# Altium PCB TC364_MainBoard_PCB_V2.0.PcbDoc (part 1 of 2) (continued)
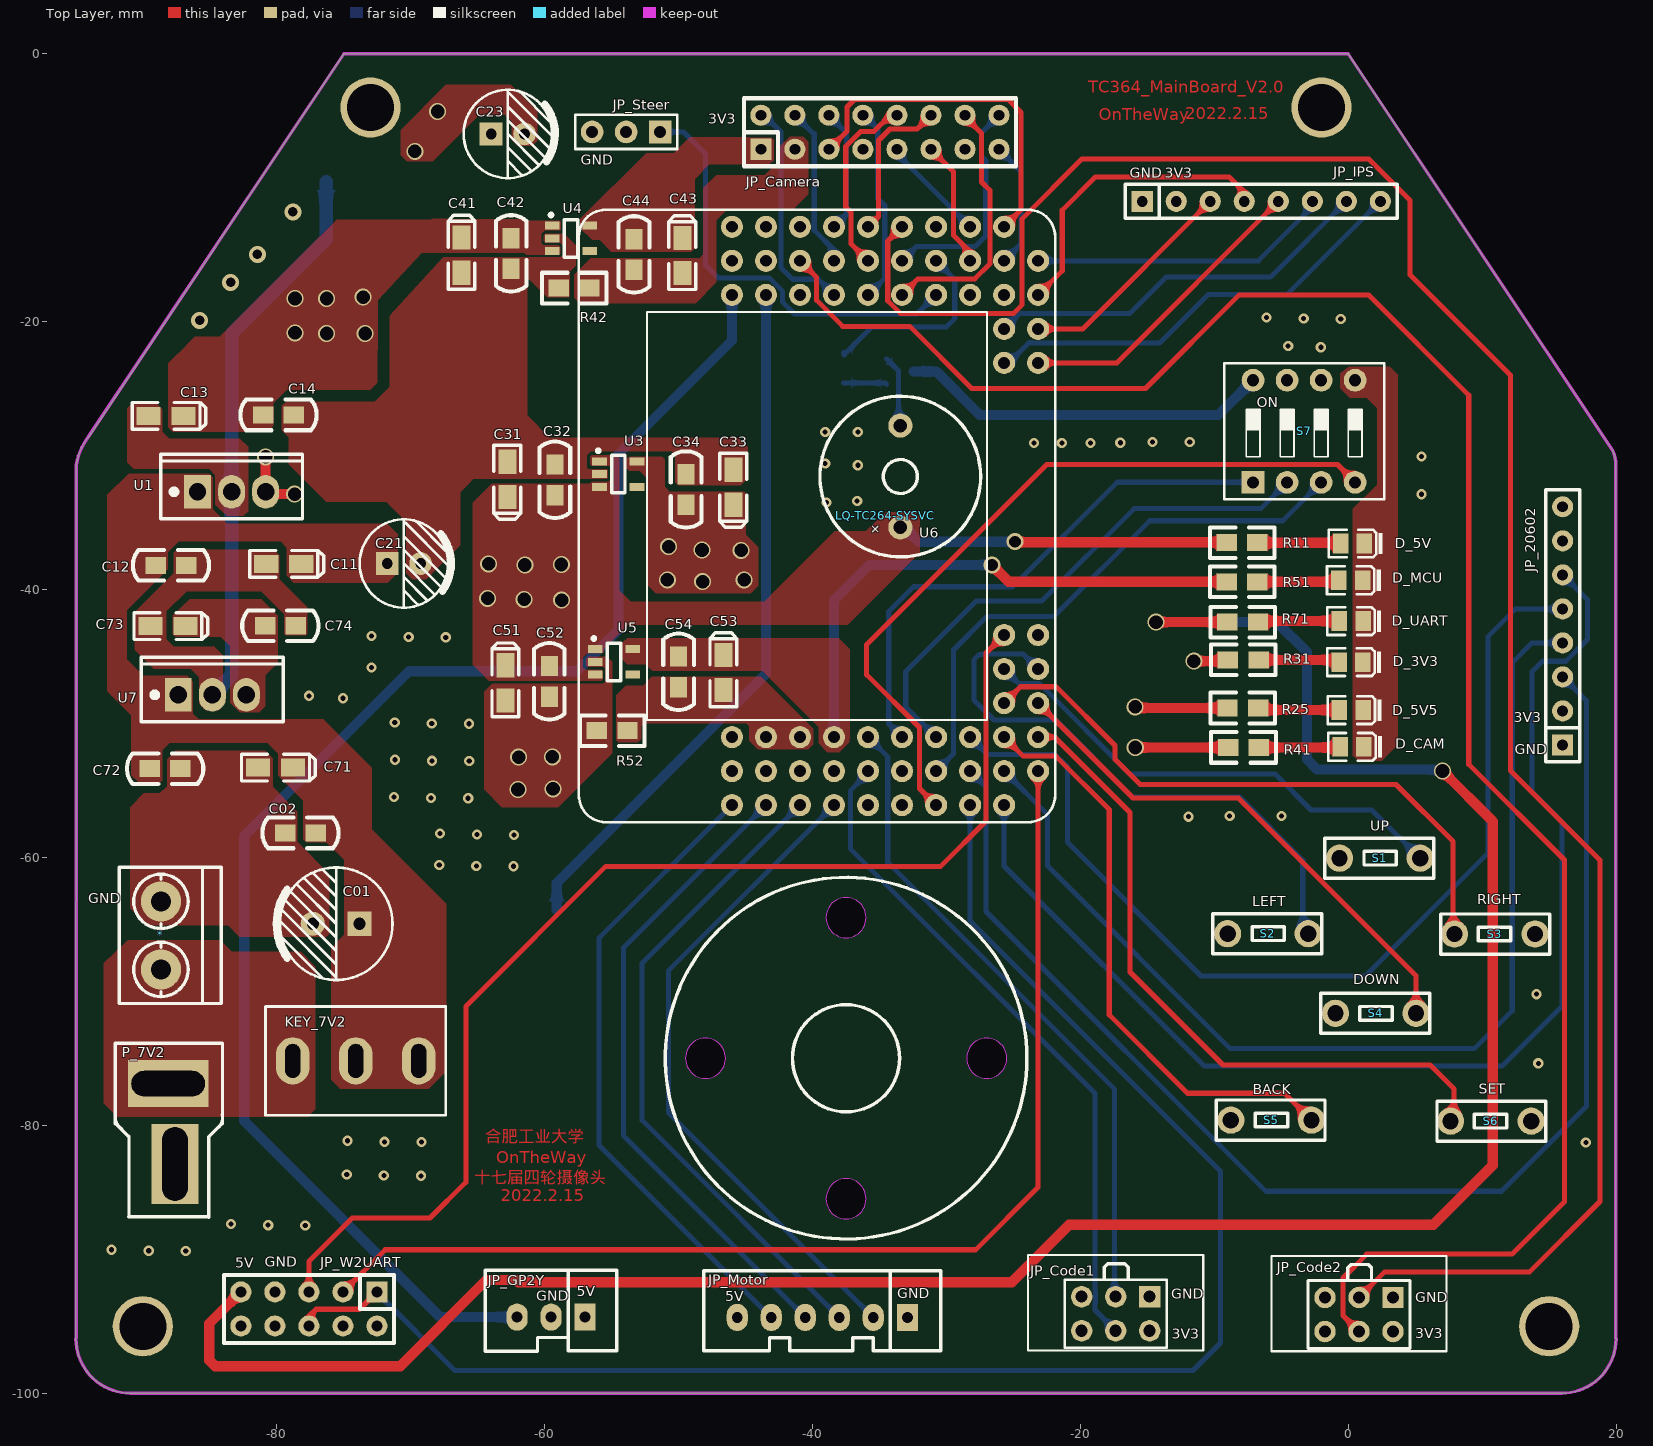
[diagram p0: Top Layer view]
## Nets (pads, with @x,y where several pads share a name; then routed paths per layer and width w, separated by ;. In a path a pad name is that pad's centre, name@x,y a point inside that pad or via, vN(x,y) a via of type N, cw(c..) or ccw(c..) an arc to the next point about the centre after c; other vN are vias at no path point)
AN44: JP_GP2Y.3 LQ-TC264-SYSVC.114 | length 110.6
  Bottom Layer w0.762: JP_GP2Y.3@-62.056,-94.318 -67.785,-94.318 -82.423,-79.68 -82.423,-58.395 -70.129,-46.101 -57.582,-46.101 -54.483,-43.002 -54.483,-29.87 -46.015,-21.402 LQ-TC264-SYSVC.114@-46.015,-17.991
AN47: C03.1 LQ-TC264-SYSVC.111 R01.1 R02.2 | length 52.4
  Bottom Layer w0.762: R02.2@-59.096,-63.914 -59.096,-61.908 -43.475,-46.287 LQ-TC264-SYSVC.111@-43.475,-17.991
GND: *.2 C01.2 C02.2 C03.2 C11.2 C12.2 C13.2 C14.2 C21.2 C22.2 C31.2 C32.2 C33.2 C34.2 C41.2 C42.2 C51.2 C52.2 C71.2 C72.2 C73.2 C74.2 D_3V3.K D_5V5.K D_5V.K D_CAM.K D_MCU.K D_UART.K JP_20602.1 JP_Code1.1 JP_Code2.1 JP_GP2Y.2 JP_IPS.1 JP_Motor.1 JP_W2UART.7 JP_W2UART.8 P_7V2.1 Q1.3 R02.1 R26.2 R42.2 R52.2 S1.2 S2.2 S3.2 S4.2 S5.2 S6.2 S7.5 S7.6 S7.7 S7.8 U1.2 U2.7 U2.8 U3.2 U4.2 U5.2 U7.2 | length 69.6
  Bottom Layer w0.762: Q1.3@-32.451,-23.706 -30.775,-23.706 -27.523,-26.957 -9.693,-26.957 S7.8@-7.102,-24.366
  Bottom Layer w1.016: U7.2@-84.811,-47.854 -83.378,-46.421 U1.2@-83.378,-32.698 -83.378,-20.894 -76.317,-13.833 R26.2@-76.317,-9.533
  other v1: -86.796,-89.39 -89.564,-89.365 -92.333,-89.289 -77.876,-87.478 -80.645,-87.452 -83.414,-87.376 -69.24,-83.769 -72.009,-83.744 -74.778,-83.668 17.739,-81.288 -69.19,-81.255 -71.958,-81.229 -74.727,-81.153 14.195,-75.37 14.046,-70.206 -62.332,-60.655 -65.1,-60.63 -67.869,-60.554 -62.281,-58.318 -65.049,-58.293 -67.818,-58.217 -11.928,-56.955 -8.854,-56.904 -4.978,-56.896 -65.71,-55.575 -68.478,-55.55 -71.247,-55.474 -65.634,-52.807 -68.402,-52.781 -71.171,-52.705 -65.659,-50.013 -68.428,-49.987 -71.196,-49.911 -75.057,-48.108 -77.597,-47.93 -72.923,-45.822 -67.386,-43.561 -70.155,-43.536 -72.923,-43.459 -38.953,-33.485 -36.667,-33.383 5.471,-32.875 -36.617,-30.716 -39.055,-30.589 5.471,-30.056 -39.055,-28.227 -36.617,-28.227 -2.047,-21.903 -4.486,-21.801 -0.559,-19.787 -3.327,-19.761 -6.096,-19.685
  other v2: -61.991,-54.923 -59.375,-54.872 -61.94,-52.51 -59.426,-52.484
  other v3: -85.766,-19.896 -83.454,-17.051 -81.448,-14.968 -78.806,-11.793
GNDCAM: C43.2 C44.2 JP_Camera.3 JP_Camera.13 R42.1
  other v1: -23.47,-29.058 -21.387,-29.058 -19.253,-29.058 -17.018,-29.032 -14.605,-28.981 -11.836,-28.981
GNDMCU: C53.2 C54.2 LQ-TC264-SYSVC.40 LQ-TC264-SYSVC.43 R52.1
GNDSteer: C23.2 C24.2 D21.1 JP_Steer.3 R23.2 R26.1
  other v2: -69.687,-7.272 -67.986,-4.3
NetD21_2: D21.2 L21.1 U2.5 U2.6
NetD_3V3_A: D_3V3.A R31.2 | length 6
  Top Layer w0.762: R31.2@-6.695,-45.245 -0.857,-45.245 D_3V3.A@-0.768,-45.334
NetD_5V5_A: D_5V5.A R25.2 | length 6.1
  Top Layer w0.762: R25.2@-6.728,-48.839 -6.576,-48.992 D_5V5.A@-0.66,-48.992
NetD_5V_A: D_5V.A R11.2 | length 6.2
  Top Layer w0.762: R11.2@-6.779,-36.495 -0.639,-36.495 D_5V.A@-0.576,-36.558
NetD_CAM_A: D_CAM.A R41.2 | length 6.1
  Top Layer w0.762: R41.2@-6.677,-51.786 -0.659,-51.786 D_CAM.A@-0.608,-51.735
NetD_MCU_A: D_MCU.A R51.2 | length 6.1
  Top Layer w0.762: R51.2@-6.779,-39.416 -0.821,-39.416 D_MCU.A@-0.707,-39.302
NetD_UART_A: D_UART.A R71.2 | length 6.1
  Top Layer w0.762: R71.2@-6.735,-42.426 -6.659,-42.35 D_UART.A@-0.676,-42.35
NetKEY_7V2_1: *.1 KEY_7V2.1 P_7V2.2
NetQ1_1: Q1.1 R03.2 | length 3.2
  Bottom Layer w0.381: R03.2@-37.683,-24.57 -34.585,-24.57 Q1.1@-34.483,-24.671
NetQ1_2: Q1.2 U6.2 | length 5.4
  Bottom Layer w0.381: Q1.2@-34.483,-22.766 -33.569,-23.681 -33.569,-27.628 U6.2@-33.442,-27.755
NetR21_1: R21.1 U2.2
NetR22_1: R22.1 U2.3
NetR23_1: R23.1 R24.2 U2.1
P00.0: JP_Camera.16 LQ-TC264-SYSVC.100 | length 16.7
  Bottom Layer w0.381: LQ-TC264-SYSVC.100@-33.315,-15.451 -32.248,-14.384 -27.854,-14.384 -27.066,-13.597 -27.066,-7.947 -27.371,-7.642 -27.371,-5.875 JP_Camera.16@-26.076,-4.58
P00.1: JP_Camera.14 LQ-TC264-SYSVC.99 | length 19.4
  Top Layer w0.381: LQ-TC264-SYSVC.99@-33.315,-17.991 -32.121,-16.797 -27.879,-16.797 -26.761,-15.679 -26.761,-10.183 -27.385,-9.558 -27.385,-5.926 -28.616,-4.696 JP_Camera.14@-28.616,-4.58
P00.2: JP_Camera.12 LQ-TC264-SYSVC.104 | length 11.5
  Top Layer w0.381: LQ-TC264-SYSVC.104@-35.855,-12.911 -35.081,-12.138 -35.081,-6.474 -34.216,-5.609 -32.184,-5.609 JP_Camera.12@-31.156,-4.58
P00.3: JP_Camera.10 LQ-TC264-SYSVC.103 | length 14
  Top Layer w0.381: LQ-TC264-SYSVC.103@-35.855,-15.451 -37.125,-14.181 -37.125,-11.819 -37.52,-11.424 -37.52,-6.917 -36.402,-5.799 -35.423,-5.799 -34.204,-4.58 JP_Camera.10@-33.696,-4.58
P00.4: JP_Camera.8 LQ-TC264-SYSVC.102 | length 14.7
  Bottom Layer w0.381: JP_Camera.8@-36.236,-4.58 -36.123,-4.58 -35.132,-5.57 -35.132,-10.789 -34.61,-11.311 -34.61,-16.746 LQ-TC264-SYSVC.102@-35.855,-17.991
P00.5: JP_Camera.6 LQ-TC264-SYSVC.107 | length 9.3
  Bottom Layer w0.381: JP_Camera.6@-38.776,-4.58 -37.455,-5.901 -37.455,-11.971 LQ-TC264-SYSVC.107@-38.395,-12.911
P00.6: JP_Camera.4 LQ-TC264-SYSVC.106 | length 12.1
  Bottom Layer w0.381: JP_Camera.4@-41.316,-4.58 -39.944,-5.951 -39.868,-5.951 -39.868,-13.164 -38.395,-14.638 LQ-TC264-SYSVC.106@-38.395,-15.451
P00.7: JP_Camera.2 LQ-TC264-SYSVC.105 | length 17
  Bottom Layer w0.381: JP_Camera.2@-43.856,-4.58 -43.602,-4.58 -42.357,-5.824 -42.357,-15.959 -41.493,-16.823 -39.563,-16.823 LQ-TC264-SYSVC.105@-38.395,-17.991
P00.9: JP_Code2.4 LQ-TC264-SYSVC.109 | length 147.4
  Top Layer w0.381: LQ-TC264-SYSVC.109@-40.935,-15.451 -39.69,-16.696 -39.69,-18.397 -37.747,-20.341 -32.743,-20.341 -28.108,-24.976 -15.128,-24.976 -8.143,-17.991 1.506,-17.991 9.002,-25.486 9.002,-53.044 16.139,-60.181 16.139,-85.707 12.228,-89.619 1.382,-89.619 -0.396,-91.397 -0.396,-94.196 JP_Code2.4@0.804,-95.397
P02.0: JP_Camera.5 LQ-TC264-SYSVC.92 | length 26.4
  Top Layer w0.381: JP_Camera.5@-38.776,-7.12 -37.429,-5.774 -37.429,-3.97 -36.871,-3.411 -25.39,-3.411 -24.425,-4.377 -24.425,-11.641 LQ-TC264-SYSVC.92@-25.695,-12.911
P02.1: JP_Camera.15 LQ-TC264-SYSVC.91 | length 9.5
  Bottom Layer w0.381: JP_Camera.15@-26.076,-7.12 -24.425,-8.771 -24.425,-14.181 LQ-TC264-SYSVC.91@-25.695,-15.451
P02.2: JP_Camera.9 LQ-TC264-SYSVC.95 | length 7.8
  Bottom Layer w0.381: JP_Camera.9@-33.735,-7.41 LQ-TC264-SYSVC.95@-28.235,-12.911
P02.3: JP_Camera.11 LQ-TC264-SYSVC.94 | length 9.5
  Top Layer w0.381: JP_Camera.11@-31.156,-7.12 -29.479,-8.796 -29.479,-13.546 -28.235,-14.791 LQ-TC264-SYSVC.94@-28.235,-15.451
P02.6: LQ-TC264-SYSVC.97 R03.1 | length 14.5
  Bottom Layer w0.381: R03.1@-37.683,-22.284 R03.1@-37.455,-22.284 ; R03.1@-37.658,-22.487 R03.1@-37.455,-22.284 ; LQ-TC264-SYSVC.97@-30.775,-15.451 -29.378,-16.848 -29.378,-19.769 -29.987,-20.379 -35.55,-20.379 R03.1@-37.455,-22.284
P02.7: JP_Steer.1 LQ-TC264-SYSVC.96 | length 32.2
  Bottom Layer w0.381: JP_Steer.1@-51.374,-5.824 -49.624,-5.824 -47.996,-7.452 -47.996,-15.781 -47.056,-16.721 -43.237,-16.721 -42.23,-17.728 -42.23,-18.535 -41.352,-19.413 -32.197,-19.413 LQ-TC264-SYSVC.96@-30.775,-17.991
P02.8: JP_Code2.3 LQ-TC264-SYSVC.101 | length 156.8
  Top Layer w0.381: LQ-TC264-SYSVC.101@-33.315,-12.911 -34.381,-13.977 -34.381,-18.433 -33.421,-19.393 -25.013,-19.393 -24.348,-18.728 -24.348,-12.313 -19.892,-7.856 1.532,-7.856 4.623,-10.947 4.623,-16.5 12.116,-23.993 12.116,-53.515 18.806,-60.206 18.806,-85.682 13.548,-90.94 2.721,-90.94 JP_Code2.3@0.804,-92.857
P10.1: JP_IPS.6 LQ-TC264-SYSVC.89 | length 22.6
  Bottom Layer w0.381: LQ-TC264-SYSVC.89@-23.155,-15.451 -6.721,-15.451 -2.682,-11.412 JP_IPS.6@-2.682,-11.006
P10.2: JP_IPS.3 LQ-TC264-SYSVC.86 | length 16.8
  Top Layer w0.381: LQ-TC264-SYSVC.86@-23.155,-20.531 -19.827,-20.531 JP_IPS.3@-10.302,-11.006
P10.3: JP_IPS.4 LQ-TC264-SYSVC.88 | length 22.9
  Top Layer w0.381: LQ-TC264-SYSVC.88@-23.155,-17.991 -21.351,-16.188 -21.351,-11.666 -18.862,-9.177 -8.905,-9.177 -7.762,-10.32 JP_IPS.4@-7.762,-11.006
P10.5: JP_IPS.7 LQ-TC264-SYSVC.87 | length 29.5
  Bottom Layer w0.381: LQ-TC264-SYSVC.87@-25.695,-20.531 -24.552,-19.388 -16.322,-19.388 -13.604,-16.67 -5.806,-16.67 JP_IPS.7@-0.142,-11.006
P11.10: JP_IPS.5 LQ-TC264-SYSVC.84 | length 22.9
  Top Layer w0.381: LQ-TC264-SYSVC.84@-23.155,-23.071 -17.287,-23.071 JP_IPS.5@-5.222,-11.006
P11.11: JP_IPS.8 LQ-TC264-SYSVC.85 | length 33.1
  Bottom Layer w0.381: LQ-TC264-SYSVC.85@-25.695,-23.071 -25.339,-23.071 -23.815,-21.547 -23.647,-21.547 -23.596,-21.597 -14.086,-21.597 -10.442,-17.953 -4.549,-17.953 JP_IPS.8@2.398,-11.006
P15.0: LQ-TC264-SYSVC.65 S3.1 | length 46.4
  Top Layer w0.381: LQ-TC264-SYSVC.65@-25.695,-48.471 -24.475,-47.252 -21.808,-47.252 -17.414,-51.646 -17.414,-52.662 -15.535,-54.542 3.564,-54.542 7.833,-58.811 7.833,-65.616 S3.1@7.935,-65.718
P15.1: LQ-TC264-SYSVC.64 S4.1 | length 39.5
  Top Layer w0.381: LQ-TC264-SYSVC.64@-23.155,-48.471 -16.068,-55.558 -8.208,-55.558 5.061,-68.827 S4.1@5.061,-71.636
P15.2: LQ-TC264-SYSVC.67 S1.1 | length 36.9
  Bottom Layer w0.381: LQ-TC264-SYSVC.67@-25.695,-45.931 -24.628,-46.997 -23.079,-46.997 -16.297,-53.78 -5.44,-53.78 -2.773,-56.447 1.763,-56.447 S1.1@5.37,-60.053
P15.3: LQ-TC264-SYSVC.66 S2.1 | length 43.6
  Bottom Layer w0.381: LQ-TC264-SYSVC.66@-23.155,-45.931 -24.272,-44.813 -27.32,-44.813 -27.346,-44.839 -27.549,-44.839 -27.955,-45.245 -27.955,-48.242 -26.457,-49.741 -21.859,-49.741 -16.119,-55.481 -8.118,-55.481 -3.397,-60.202 -3.397,-65.286 S2.1@-2.991,-65.692
P15.4: LQ-TC264-SYSVC.63 S6.1 | length 51.4
  Top Layer w0.381: LQ-TC264-SYSVC.63@-23.155,-51.011 -21.935,-51.011 -16.297,-56.65 -16.297,-68.551 -9.351,-75.497 6.117,-75.497 7.895,-77.275 7.895,-79.434 S6.1@7.641,-79.688
P15.5: LQ-TC264-SYSVC.61 S5.1 | length 43.8
  Top Layer w0.381: LQ-TC264-SYSVC.61@-25.695,-51.011 -24.272,-52.433 -21.834,-52.433 -17.846,-56.421 -17.846,-71.752 -11.993,-77.605 -4.754,-77.605 S5.1@-2.747,-79.611
P15.6: JP_W2UART.3 LQ-TC264-SYSVC.62 | length 86.2
  Top Layer w0.381: JP_W2UART.3@-75.061,-92.438 -71.911,-89.289 -27.817,-89.289 -23.155,-84.626 LQ-TC264-SYSVC.62@-23.155,-53.551
P15.7: JP_W2UART.5 LQ-TC264-SYSVC.69 | length 88.6
  Top Layer w0.381: JP_W2UART.5@-77.601,-92.438 -77.601,-90.152 -74.375,-86.927 -68.562,-86.927 -65.888,-84.252 -65.888,-71.12 -55.431,-60.663 -30.433,-60.663 -27.041,-57.271 -27.041,-44.737 LQ-TC264-SYSVC.69@-25.695,-43.391
P20.0: JP_Code1.4 LQ-TC264-SYSVC.48 | length 50.6
  Bottom Layer w0.381: LQ-TC264-SYSVC.48@-35.855,-53.551 -35.855,-53.703 -37.175,-55.024 -37.175,-59.342 -18.913,-77.605 -18.913,-92.313 -18.861,-92.365 -18.861,-93.227 -18.913,-93.279 -18.913,-93.786 JP_Code1.4@-17.363,-95.336
P20.3: JP_Code1.3 LQ-TC264-SYSVC.49 | length 49.4
  Bottom Layer w0.381: LQ-TC264-SYSVC.49@-35.855,-51.011 -34.381,-52.485 -34.381,-60.359 -17.465,-77.275 -17.465,-92.694 JP_Code1.3@-17.363,-92.796
P20.6: LQ-TC264-SYSVC.52 S7.1 | length 41
  Bottom Layer w0.381: LQ-TC264-SYSVC.52@-33.315,-51.011 -34.305,-50.02 -34.305,-41.638 -32.451,-39.784 -25.06,-39.784 -17.249,-31.974 -17.236,-31.986 S7.1@-7.102,-31.986
P20.7: LQ-TC264-SYSVC.53 S7.4 | length 56.7
  Top Layer w0.381: LQ-TC264-SYSVC.53@-30.775,-56.091 -32.019,-54.846 -32.019,-50.3 -35.956,-46.363 -35.956,-44.102 -22.52,-30.666 -0.803,-30.666 S7.4@0.518,-31.986
P20.8: LQ-TC264-SYSVC.54 S7.3 | length 42.2
  Bottom Layer w0.381: LQ-TC264-SYSVC.54@-30.775,-53.551 -29.479,-52.256 -29.479,-44.509 -26.965,-41.994 -21.961,-41.994 -14.823,-34.857 -4.892,-34.857 S7.3@-2.022,-31.986
P20.9: LQ-TC264-SYSVC.55 S7.2 | length 40.2
  Bottom Layer w0.381: LQ-TC264-SYSVC.55@-30.775,-51.011 -33.035,-48.75 -33.035,-46.109 -27.777,-40.851 -22.875,-40.851 -15.979,-33.955 -6.53,-33.955 S7.2@-4.562,-31.986
P20.10: JP_W2UART.1 JP_W2UART.6 LQ-TC264-SYSVC.56 | length 120.7
  Top Layer w0.381: JP_W2UART.6@-77.601,-94.978 -77.601,-94.267 -77.068,-93.734 -73.816,-93.734 JP_W2UART.1@-72.521,-92.438
  Bottom Layer w0.381: JP_W2UART.1@-72.521,-92.438 -72.521,-92.489 -66.704,-98.306 -11.586,-98.306 -9.54,-96.26 -9.54,-83.421 -28.235,-64.727 LQ-TC264-SYSVC.56@-28.235,-56.091
P20.11: JP_20602.3 LQ-TC264-SYSVC.57 | length 99.9
  Bottom Layer w0.381: LQ-TC264-SYSVC.57@-28.235,-53.551 -27.041,-54.745 -27.041,-64.03 -6.151,-84.92 11.448,-84.92 17.78,-78.588 17.78,-48.283 JP_20602.3@16.012,-46.515
P20.12: JP_20602.5 LQ-TC264-SYSVC.58 | length 75.7
  Bottom Layer w0.381: LQ-TC264-SYSVC.58@-28.235,-51.011 -26.939,-52.306 -21.91,-52.306 -20.97,-53.246 -20.97,-58.872 -11,-68.842 1.266,-68.842 10.424,-59.684 10.424,-43.518 12.507,-41.435 JP_20602.5@16.012,-41.435
P20.13: JP_20602.6 LQ-TC264-SYSVC.59 | length 90.9
  Bottom Layer w0.381: LQ-TC264-SYSVC.59@-25.695,-56.091 -25.695,-60.638 -10.759,-75.573 11.491,-75.573 15.952,-71.111 15.952,-57.327 13.726,-55.1 13.726,-46.134 14.514,-45.347 16.241,-45.347 17.866,-43.721 17.866,-40.749 JP_20602.6@16.012,-38.895
P20.14: JP_20602.4 LQ-TC264-SYSVC.60 | length 80.3
  Bottom Layer w0.381: LQ-TC264-SYSVC.60@-25.695,-53.551 -22.443,-56.802 -22.443,-60.638 -8.804,-74.277 9.408,-74.277 12.243,-71.443 12.243,-45.459 13.726,-43.975 JP_20602.4@16.012,-43.975
P21.2: JP_Motor.5 LQ-TC264-SYSVC.35 | length 47.7
  Bottom Layer w0.381: LQ-TC264-SYSVC.35@-46.015,-56.091 -55.956,-66.033 -55.956,-81.47 JP_Motor.5@-43.082,-94.343
P21.3: JP_Motor.4 LQ-TC264-SYSVC.38 | length 48.3
  Bottom Layer w0.381: LQ-TC264-SYSVC.38@-43.475,-56.091 -54.117,-66.734 -54.117,-80.769 JP_Motor.4@-40.542,-94.343
P21.4: JP_Motor.3 LQ-TC264-SYSVC.41 | length 49.2
  Bottom Layer w0.381: LQ-TC264-SYSVC.41@-40.935,-56.091 -52.72,-67.877 -52.72,-79.626 JP_Motor.3@-38.002,-94.343
P21.5: JP_Motor.2 LQ-TC264-SYSVC.44 | length 49.7
  Bottom Layer w0.381: LQ-TC264-SYSVC.44@-38.395,-56.091 -50.764,-68.461 -50.764,-79.041 JP_Motor.2@-35.462,-94.343
VCC3V3: C33.1 C34.1 JP_20602.2 JP_Code1.2 JP_Code2.2 JP_IPS.2 R31.1 U3.5 | length 2.6
  Top Layer w0.762: v2(-11.532,-45.339) -9.075,-45.339 R31.1@-8.981,-45.245
  other v2: -48.199,-39.403 -50.841,-39.276 -45.1,-39.276 -45.329,-37.066 -48.25,-37.041 -50.739,-36.787
VCC5V: C13.1 C14.1 C31.1 C32.1 C41.1 C42.1 C51.1 C52.1 JP_GP2Y.1 JP_Motor.6 R11.1 U1.3 U3.1 U3.3 U4.1 U4.3 U5.1 U5.3 U6.1 | length 29.9
  Top Layer w0.762: U1.3@-81.28,-32.868 v2(-78.664,-32.868) ; U1.3@-80.838,-32.698 v2(-80.838,-30.081) ; v4@-24.755,-36.457 -9.103,-36.457 R11.1@-9.065,-36.495
  Bottom Layer w0.762: U6.1@-33.442,-35.355 -33.137,-35.355 -32.068,-36.424 v4(-24.892,-36.424)
  other v2: -58.725,-40.792 -61.534,-40.724 -64.252,-40.648 -61.483,-38.159 -58.75,-38.125 -64.176,-38.082 -76.276,-20.879 -73.406,-20.879 -78.638,-20.828 -78.638,-18.263 -76.276,-18.263 -73.558,-18.161
VCCBAT: C01.1 C02.1 C11.1 C12.1 C21.1 C22.1 C71.1 C72.1 KEY_7V2.2 KEY_7V2.3 R01.2 R21.2 R22.2 U1.1 U2.4 U7.1
VCCCAM: C43.1 C44.1 JP_Camera.1 R41.1 U4.5 | length 6.9
  Top Layer w0.762: v2(-15.903,-51.786) R41.1@-8.963,-51.786
VCCMCU: C53.1 C54.1 LQ-TC264-SYSVC.46 R51.1 U5.5 | length 41.2
  Top Layer w0.762: v4(-26.609,-38.159) -25.352,-39.416 R51.1@-9.065,-39.416
  Bottom Layer w0.762: LQ-TC264-SYSVC.46@-38.395,-51.011 -38.395,-40.8 -35.753,-38.159 v4(-26.609,-38.159)
VCCSteer: C23.1 C24.1 JP_Steer.2 L21.2 R24.1 R25.1 | length 6.9
  Top Layer w0.762: v2(-15.916,-48.75) -15.827,-48.839 R25.1@-9.014,-48.839
VCCUART: C73.1 C74.1 JP_W2UART.9 R71.1 U7.3 | length 175.5
  Top Layer w0.762: JP_W2UART.9@-82.681,-92.438 -85.039,-94.797 -85.039,-97.547 -84.593,-97.993 -70.79,-97.993 -64.338,-91.542 -62.154,-91.542 -61.976,-91.719 -25.121,-91.719 -20.828,-87.427 6.35,-87.427 10.795,-82.982 10.795,-57.302 v2(7.036,-53.543) ; v2(-14.351,-42.426) R71.1@-9.021,-42.426
  Bottom Layer w0.762: v2(-14.351,-42.426) -5.326,-42.426 -3.073,-44.679 -3.073,-52.68 -2.311,-53.442 6.934,-53.442 v2(7.036,-53.543)
pads on no net: JP_20602.7 JP_20602.8 JP_Camera.7 JP_Code1.5 JP_Code1.6 JP_Code2.5 JP_Code2.6 JP_W2UART.2 JP_W2UART.4 JP_W2UART.10 LQ-TC264-SYSVC.36 LQ-TC264-SYSVC.37 LQ-TC264-SYSVC.39 LQ-TC264-SYSVC.42 LQ-TC264-SYSVC.45 LQ-TC264-SYSVC.47 LQ-TC264-SYSVC.50 LQ-TC264-SYSVC.51 LQ-TC264-SYSVC.68 LQ-TC264-SYSVC.90 LQ-TC264-SYSVC.93 LQ-TC264-SYSVC.98 LQ-TC264-SYSVC.108 LQ-TC264-SYSVC.110 LQ-TC264-SYSVC.112 LQ-TC264-SYSVC.113 LQ-TC264-SYSVC.115 LQ-TC264-SYSVC.116 U3.4 U4.4 U5.4

## Polygon pours and split planes (outlines as drawn)
VCC3V3 on Top Layer "VCC3V3_L01_P430" (solid, remove dead copper, pour order 430): -53.645,-30.074 -51.232,-30.074 -51.029,-30.277 -51.029,-32.36 -51.003,-32.36 -50.571,-32.791 -50.673,-32.893 -50.673,-33.071 -51.638,-33.071 -52.248,-32.461 -52.248,-31.09 -52.553,-30.785 -53.467,-30.785 -53.467,-30.582 -53.721,-30.328
VCC3V3 on Top Layer "VCC3V3_L01_P426" (solid, remove dead copper, pour order 426): -52.324,-32.969 -46.711,-32.969 -44.983,-34.696 -44.983,-35.916 -44.069,-36.83 -44.069,-39.7 -44.628,-40.259 -51.714,-40.259 -52.324,-39.649 -52.324,-32.817 -51.714,-32.817 -51.638,-32.893
VCC3V3 on Top Layer "VCC3V3_L01_P424" (solid, remove dead copper, pour order 424): -53.645,-30.074 -52.095,-30.074 -52.019,-30.15 -52.019,-32.283 -51.605,-32.698 -45.103,-32.698 -44.983,-32.817 -44.983,-34.696 -45.085,-34.798 -50.14,-34.798 -51.384,-33.553 -51.74,-33.553 -52.324,-32.969 -52.324,-31.699 -52.908,-31.115 -53.67,-31.115 -53.975,-30.81 -53.95,-30.785 -53.95,-30.226
VCC5V on Top Layer "VCC5V_L01_P406" (solid, remove dead copper, pour order 406): -79.146,-17.247 -73.203,-17.247 -72.466,-17.983 -72.492,-18.009 -72.492,-24.536 -73.025,-25.07 -79.248,-25.07 -80.264,-26.086 -80.264,-27.762 -80.721,-28.219 -87.782,-28.219 -88.113,-27.889 -88.113,-23.114 -86.665,-21.666 -82.448,-21.666 -81.28,-20.498 -81.28,-18.11
VCCBAT on Top Layer "VCCBAT_L01_P382" (solid, remove dead copper, pour order 382): -88.316,-46.507 -86.614,-46.507 -86.258,-46.863 -86.258,-49.251 -85.827,-49.682 -84.404,-49.682 -76.53,-49.682 -72.923,-53.289 -72.923,-57.887 -67.361,-63.449 -67.361,-75.971 -68.656,-77.267 -75.311,-77.267 -75.311,-77.216 -75.946,-76.581 -75.946,-66.761 -74.971,-65.786 -74.971,-60.183 -76.302,-58.852 -77.8,-58.852 -78.029,-58.623 -78.029,-55.753 -79.705,-54.077 -79.908,-53.873 -79.908,-52.248 -80.721,-51.435 -88.011,-51.435 -88.57,-51.994 -88.57,-54.254 -88.748,-54.432 -90.272,-54.432 -90.856,-53.848 -90.856,-47.117 -90.805,-47.066
GND on Top Layer "GND_L01_P380" (solid, remove dead copper, pour order 380): -88.189,-52.654 -87.579,-52.045 -80.874,-52.045 -80.315,-52.603 -80.315,-54.737 -78.461,-56.591 -78.461,-58.801 -78.486,-58.826 -76.073,-61.239 -76.073,-64.211 -76.048,-64.237 -76.073,-64.262 -76.073,-65.684 -76.302,-65.913 -82.804,-65.913 -83.642,-65.075 -89.687,-65.075 -90.957,-63.805 -90.957,-56.236 -89.941,-55.22 -88.722,-55.22 -88.189,-54.686
NetKEY_7V2_1 on Top Layer "NETKEY_7V2_1_L01_P376" (solid, remove dead copper, pour order 376): -83.363,-67.056 -78.207,-67.056 -77.114,-68.148 -77.114,-73.304 -77.114,-78.791 -77.673,-79.35 -91.923,-79.35 -92.939,-78.334 -92.939,-67.88 -91.124,-66.192 -84.226,-66.192
VCCMCU on Top Layer "VCCMCU_L01_P238" (solid, remove dead copper, pour order 238): -53.846,-43.62 -38.054,-43.62 -37.226,-44.448 -37.226,-51.189 -37.252,-51.214 -37.252,-51.392 -37.988,-52.129 -38.903,-52.129 -39.548,-51.483 -39.548,-50.267 -43.739,-46.076 -51.968,-46.076 -52.476,-45.568 -53.846,-45.568 -54.447,-44.966 -54.447,-44.153
VCC5V on Top Layer "VCC5V_L01_P220" (solid, remove dead copper, pour order 220): -56.497,-29.98 -54.628,-29.98 -54.422,-30.185 -54.422,-32.698 -54.701,-32.977 -57.495,-32.977 -56.472,-31.953 -55.252,-31.953 -55.042,-31.743 -55.042,-30.785 -55.108,-30.742 -56.479,-30.742 -56.581,-30.64 -56.581,-30.063
VCC5V on Top Layer "VCC5V_L01_P218" (solid, remove dead copper, pour order 218): -57.191,-43.366 -56.175,-43.366 -55.59,-43.95 -55.59,-44.645 -55.7,-44.755 -56.827,-44.755 -57.165,-45.093 -57.165,-45.779 -56.944,-45.999 -55.778,-45.999 -55.667,-46.111 -55.667,-46.726 -55.735,-46.795 -58.664,-46.795 -59.096,-46.363 -59.096,-43.899 -57.927,-42.731
no net on Top Layer "NONET_L01_P004" (solid, remove dead copper, pour order 4): -67.242,-69.515
no net on Top Layer "NONET_L01_P014" (solid, remove dead copper, pour order 14): -69.782,-45.436
no net on Top Layer "NONET_L01_P040" (solid, remove dead copper, pour order 40): -50.63,-30.881
GNDCAM on Top Layer "GNDCAM_L01_P200" (solid, remove dead copper, pour order 200): -41.697,-6.18 -40.706,-6.18 -40.325,-6.561 -40.325,-10.48 -41.402,-11.557 -46.312,-11.557 -47.183,-12.428 -47.183,-17.051 -48.732,-18.601 -57.394,-18.601 -57.8,-18.194 -57.8,-16.492 -56.556,-15.248 -48.428,-15.248 -48.148,-14.968 -48.148,-9.997 -47.201,-9.05 -43.576,-9.05 -42.433,-7.907 -42.433,-6.891
VCC5V on Top Layer "VCC5V_L01_P210" (solid, remove dead copper, pour order 210): -63.935,-32.08 -56.134,-32.08 -54.432,-33.782 -54.432,-40.861 -58.41,-44.839 -58.41,-46.21 -58.435,-46.21 -58.435,-46.566 -58.664,-46.795 -64.176,-46.795 -65.369,-45.601 -65.369,-33.515
VCC5V on Top Layer "VCC5V_L01_P356" (solid, remove dead copper, pour order 356): -54.436,-32.08 -54.436,-34.044 -54.843,-34.45 -56.875,-34.45 -57.205,-34.78 -57.205,-35.187 -58.602,-35.187 -59.872,-33.917 -59.872,-32.08
VCCUART on Top Layer "VCCUART_L01_P386" (solid, remove dead copper, pour order 386): -86.512,-40.716 -81.178,-40.716 -79.934,-41.961 -79.934,-45.466 -80.848,-46.38 -80.848,-48.692 -81.305,-49.149 -82.779,-49.149 -83.49,-48.438 -83.49,-44.221 -84.176,-43.536 -87.554,-43.536 -87.757,-43.332 -87.757,-41.925
GND on Top Layer "GND_L01_P388" (solid, remove dead copper, pour order 388): -87.528,-37.414 -87.122,-37.008 -80.239,-37.008 -79.807,-37.44 -79.807,-39.218 -77.724,-41.3 -77.724,-43.358 -77.757,-43.391 -79.342,-43.391 -79.426,-43.307 -79.426,-41.808 -79.553,-41.681 -79.604,-41.681 -81.178,-40.107 -86.411,-40.107 -87.698,-38.819 -87.698,-37.558
VCCBAT on Top Layer "VCCBAT_L01_P390" (solid, remove dead copper, pour order 390): -87.757,-31.344 -85.039,-31.344 -84.785,-31.598 -84.785,-34.011 -83.718,-35.077 -77.14,-35.077 -77.14,-38.786 -77.089,-38.837 -77.165,-38.913 -78.918,-38.913 -79.248,-38.583 -79.248,-36.855 -79.705,-36.398 -87.351,-36.398 -87.351,-36.424 -88.138,-37.211 -88.138,-38.481 -91.796,-42.139 -91.796,-35.179 -87.96,-31.344
VCCBAT on Top Layer "VCCBAT_L01_P400" (solid, remove dead copper, pour order 400): -79.299,-35.077 -71.755,-35.077 -70.968,-35.865 -70.968,-38.735 -71.704,-39.472 -78.74,-39.472 -79.273,-38.938 -79.248,-38.913 -79.248,-38.583
GNDSteer on Top Layer "GNDSTEER_L01_P434" (solid, remove dead copper, pour order 434): -67.376,-2.311 -62.535,-2.311 -60.554,-4.293 -60.554,-6.502 -60.909,-6.858 -62.001,-6.858 -62.459,-6.401 -62.459,-5.029 -62.941,-4.547 -64.872,-4.547 -68.351,-8.026 -70.282,-8.026 -70.739,-7.569 -70.739,-5.715
GND on Top Layer "GND_L01_P436" (solid, remove dead copper, pour order 436): -58.141,-13.843 -57.683,-14.3 -57.683,-15.824 -58.141,-16.281 -58.141,-18.11 -58.191,-18.161 -59.817,-18.161 -61.138,-16.84 -63.144,-16.84 -63.195,-16.789 -63.195,-15.265 -63.119,-15.189 -61.57,-15.189 -58.826,-15.189 -58.623,-14.986 -58.623,-14.326 -58.877,-14.072 -59.995,-14.072 -60.071,-13.995 -60.071,-13.538 -59.969,-13.437 -58.547,-13.437
GND on Top Layer "GND_L01_P438" (solid, remove dead copper, pour order 438): -63.449,-29.54 -58.217,-29.54 -56.744,-31.013 -55.347,-31.013 -55.296,-31.064 -55.296,-31.674 -55.347,-31.725 -58.369,-31.725 -61.925,-31.725 -62.103,-31.547 -63.381,-31.547 -63.551,-31.377 -63.551,-29.566
GND on Top Layer "GND_L01_P440" (solid, remove dead copper, pour order 440): -58.943,-29.54 -58.054,-28.651 -45.542,-28.651 -44.831,-29.362 -44.831,-31.682 -45.357,-32.207 -48.666,-32.207 -50.038,-32.207 -50.267,-31.979 -50.267,-29.896 -50.513,-29.65 -56.574,-29.65 -58.42,-31.496 -60.046,-31.496 -60.046,-30.353 -59.893,-30.201
GND on Top Layer "GND_L01_P442" (solid, remove dead copper, pour order 442): -67.584,-15.189 -61.824,-15.189 -61.29,-15.723 -61.316,-15.748 -61.316,-26.975 -59.639,-28.651 -57.328,-28.651 -56.871,-29.108 -56.871,-31.191 -57.404,-31.725 -65.735,-31.725 -71.552,-25.908 -71.552,-19.567
GND on Top Layer "GND_L01_P444" (solid, remove dead copper, pour order 444): -85.217,-37.008 -85.217,-39.294 -86.03,-40.107 -86.741,-40.107 -88.252,-41.618 -88.252,-44.069 -89.687,-44.069 -90.602,-43.155 -90.602,-41.707 -90.526,-41.631 -90.526,-41.605 -87.698,-38.778 -87.698,-37.229 -87.478,-37.008
GND on Top Layer "GND_L01_P446" (solid, remove dead copper, pour order 446): -72.669,-25.984 -67.843,-21.158 -62.078,-26.924 -62.078,-31.14 -64.719,-31.14 -66.319,-32.741 -66.319,-36.678 -68.859,-39.218 -69.875,-39.218 -70.333,-38.76 -70.333,-34.95 -71.839,-33.444 -76.3,-33.453 -79.121,-30.632 -79.121,-28.626 -79.629,-28.118 -79.629,-26.281 -79.299,-25.984
GNDMCU on Top Layer "GNDMCU_L01_P448" (solid, remove dead copper, pour order 448): -51.992,-46.505 -43.829,-46.518 -39.954,-50.394 -41.478,-51.918 -44.094,-51.918 -44.729,-51.283 -44.729,-50.19 -44.933,-49.987 -52.578,-49.987 -52.781,-50.19 -52.781,-51.156 -52.807,-51.156 -53.035,-51.384 -54.508,-51.384 -54.61,-51.283 -54.635,-51.283 -54.661,-51.257 -54.661,-47.879 -53.95,-47.168 -52.654,-47.168
GNDMCU on Top Layer "GNDMCU_L01_P450" (solid, remove dead copper, pour order 450): -42.291,-50.038 -42.266,-50.063 -40.284,-50.063 -39.929,-50.419 -39.929,-51.537 -40.31,-51.918 -42.723,-51.918 -42.723,-50.927 -42.393,-50.597
GND on Top Layer "GND_L01_P456" (solid, remove dead copper, pour order 456): 0.025,-23.343 3.099,-23.343 3.658,-23.901 3.708,-23.901 3.708,-50.749 3.708,-51.587 2.515,-52.781 0.737,-52.781 0.406,-52.451 0.356,-52.451 0.356,-34.95 0.33,-34.925 0.356,-34.9 0.356,-33.96 2.159,-32.156 2.159,-26.441 1.397,-25.679 0.127,-25.679 -0.584,-24.968 -0.584,-23.851
VCCBAT on Top Layer "VCCBAT_L01_P484" (solid, remove dead copper, pour order 484): -87.282,-31.344 -91.059,-31.344 -92.685,-32.969 -92.659,-32.995 -92.659,-47.574 -90.627,-49.606 -86.766,-49.606 -86.258,-49.098 -86.258,-46.863 -86.691,-46.431 -89.967,-46.431 -91.186,-45.187 -91.186,-40.259 -87.043,-36.116
VCC5V on Top Layer "VCC5V_L01_P486" (solid, remove dead copper, pour order 486): -58.852,-12.471 -58.801,-12.522 -58.801,-13.132 -58.852,-13.183 -59.995,-13.183 -60.249,-13.437 -60.249,-14.148 -60.122,-14.275 -58.979,-14.275 -58.852,-14.402 -58.852,-14.91 -58.953,-15.011 -61.366,-15.011 -61.824,-14.554 -63.297,-14.554 -63.398,-14.453 -63.398,-12.624 -63.17,-12.395 -63.094,-12.471
VCC5V on Top Layer "VCC5V_L01_P488" (solid, remove dead copper, pour order 488): -67.259,-12.294 -67.208,-12.344 -61.773,-12.344 -61.417,-12.7 -61.534,-12.817 -61.534,-14.834 -65.38,-14.834 -69.164,-14.834 -72.466,-18.39 -72.466,-22.073 -74.854,-24.46 -85.664,-24.46 -86.756,-23.368 -86.756,-21.91 -86.716,-21.869 -86.716,-21.717 -86.131,-21.133 -84.277,-21.133 -75.514,-12.37 -68.478,-12.37 -68.428,-12.319 -66.929,-12.319
VCCCAM on Top Layer "VCCCAM_L01_P490" (solid, remove dead copper, pour order 490): -44.704,-6.248 -43.082,-6.248 -42.905,-6.426 -42.901,-7.925 -43.231,-8.255 -47.701,-8.255 -48.793,-9.347 -48.793,-14.503 -49.047,-14.757 -55.016,-14.757 -55.88,-13.894 -56.464,-13.894 -57.328,-13.03 -57.328,-12.319 -52.426,-7.417 -50.343,-7.417 -49.149,-6.223 -44.729,-6.223
GND on Top Layer "GND_L01_P494" (solid, remove dead copper, pour order 494): -56.744,-45.009 -55.347,-45.009 -54.966,-45.39 -54.966,-52.205 -58.996,-56.236 -63.195,-56.236 -64.516,-54.915 -64.516,-47.625 -63.906,-47.015 -55.626,-47.015 -55.474,-46.863 -55.474,-45.898 -55.601,-45.771 -56.82,-45.771 -56.896,-45.695 -56.896,-45.161
VCC5V on Top Layer "VCC5V_L01_P496" (solid, remove dead copper, pour order 496): -34.112,-34.214 -32.36,-34.214 -32.004,-34.569 -32.004,-37.262 -37.363,-42.621 -53.772,-42.621 -55.702,-44.552 -57.277,-44.552 -59.919,-41.91 -59.919,-39.302 -59.774,-39.446 -55.016,-39.446 -53.569,-40.894 -43.612,-40.894 -38.354,-35.636 -36.043,-35.636 -34.544,-34.214
GND on Top Layer "GND_L01_P502" (solid, remove dead copper, pour order 502): -89.027,-26.035 -88.544,-26.518 -88.544,-28.219 -88.036,-28.727 -82.753,-28.727 -82.144,-29.337 -82.144,-34.138 -82.499,-34.493 -83.744,-34.493 -84.582,-33.655 -84.582,-31.445 -85.039,-30.988 -90.678,-30.988 -91.161,-30.505 -91.161,-26.467 -90.729,-26.035
GND on Top Layer "GND_L01_P504" (solid, remove dead copper, pour order 504): -85.801,-48.539 -85.319,-49.022 -84.379,-49.022 -84.023,-48.666 -84.023,-44.907 -84.734,-44.196 -84.785,-44.247 -87.706,-44.247 -88.798,-43.155 -90.602,-43.155 -90.602,-44.501 -89.205,-45.898 -86.436,-45.898 -85.801,-46.533
VCCBAT on Bottom Layer "VCCBAT_L04_P480" (solid, remove dead copper, pour order 480): -60.325,-21.006 -58.852,-21.006 -58.598,-21.26 -58.598,-21.742 -58.801,-21.946 -60.401,-21.946 -60.909,-21.438 -62.611,-19.736 -63.856,-19.736 -64.745,-20.625 -64.745,-21.869 -65.659,-21.869 -66.954,-20.574 -68.656,-20.574 -67.081,-18.999 -62.332,-18.999
NetR23_1 on Bottom Layer "NETR23_1_L04_P478" (solid, remove dead copper, pour order 478): -64.252,-16.546 -64.262,-16.556 -64.262,-18.085 -63.762,-18.585 -62.212,-18.585 -60.173,-20.625 -58.801,-20.625 -58.268,-21.158 -58.268,-24.435 -58.674,-24.841 -60.376,-24.841 -60.554,-25.019 -60.554,-25.095 -60.554,-25.502 -60.35,-25.705 -57.785,-25.705 -56.388,-24.308 -56.388,-21.463 -58.699,-19.152 -60.503,-19.152 -62.078,-17.577 -62.078,-12.421 -62.382,-12.116 -63.967,-12.116 -64.252,-12.37
NetD21_2 on Bottom Layer "NETD21_2_L04_P476" (solid, remove dead copper, pour order 476): -61.493,-12.04 -59.207,-12.04 -58.826,-12.421 -58.826,-16.332 -56.566,-18.593 -55.448,-19.71 -54.178,-20.98 -52.883,-20.98 -52.883,-21.819 -53.111,-22.047 -54.153,-22.047 -54.204,-21.996 -55.397,-21.996 -55.372,-21.971 -55.372,-21.808 -56.149,-21.031 -57.927,-19.253 -58.511,-18.669 -60.503,-18.669 -61.722,-17.45 -61.722,-12.268
NetD21_2 on Bottom Layer "NETD21_2_L04_P474" (solid, remove dead copper, pour order 474): -54.712,-20.345 -49.708,-20.345 -49.53,-20.523 -49.53,-22.225 -50.114,-22.809 -53.238,-22.809 -53.67,-23.241 -55.093,-23.241 -55.448,-22.885 -55.448,-20.777 -54.991,-20.32
GND on Bottom Layer "GND_L04_P468" (solid, remove dead copper, pour order 468): -65.811,-36.322 -56.566,-36.322 -55.601,-35.357 -55.601,-29.388 -53.365,-27.153 -53.365,-23.876 -53.619,-23.622 -53.619,-23.597 -55.118,-23.597 -55.143,-23.622 -55.448,-24.164 -55.448,-24.943 -56.617,-26.111 -62.281,-26.111 -63.779,-26.111 -64.033,-26.365 -64.033,-27.864 -70.18,-34.011 -70.18,-38.76 -69.723,-39.218 -69.672,-39.218 -69.647,-39.243 -68.732,-39.243
VCCBAT on Bottom Layer "VCCBAT_L04_P466" (solid, remove dead copper, pour order 466): -66.345,-20.32 -64.592,-20.32 -64.516,-20.396 -64.516,-27.407 -70.739,-33.63 -70.739,-38.735 -71.272,-39.268 -72.365,-39.268 -73.025,-38.608 -73.025,-24.943 -70.434,-22.352 -68.656,-20.574
NetR22_1 on Bottom Layer "NETR22_1_L04_P464" (solid, remove dead copper, pour order 464): -63.754,-20.32 -62.459,-20.32 -61.163,-21.615 -60.554,-22.225 -58.826,-22.225 -58.623,-22.428 -58.623,-22.962 -58.826,-23.165 -60.274,-23.165 -61.468,-23.165 -61.824,-22.809 -63.754,-22.809 -63.932,-22.631 -63.932,-21.776 -63.932,-20.599
NetR21_1 on Bottom Layer "NETR21_1_L04_P462" (solid, remove dead copper, pour order 462): -62.103,-23.114 -61.62,-23.597 -58.877,-23.597 -58.649,-23.825 -58.649,-24.232 -58.938,-24.521 -62.164,-24.521 -62.306,-24.663 -63.856,-24.663 -63.998,-24.521 -63.998,-23.383 -63.729,-23.114
GNDSteer on Bottom Layer "GNDSTEER_L04_P300" (solid, remove dead copper, pour order 300): -59.07,-7.722 -56.236,-7.722 -56.236,-16.307 -55.27,-17.272 -52.934,-17.272 -52.256,-16.594 -49.088,-16.594 -48.631,-17.051 -48.631,-18.71 -49.759,-19.837 -54.785,-19.837 -58.344,-16.279 -58.344,-11.963 -59.131,-11.176 -62.524,-11.176
VCCSteer on Bottom Layer "VCCSTEER_L04_P294" (solid, remove dead copper, pour order 294): -54.625,-4.402 -53.609,-4.402 -52.603,-5.408 -52.603,-16.104 -53.238,-16.739 -55.093,-16.739 -55.677,-16.154 -55.677,-8.832 -54.955,-8.11 -54.955,-6.485
GNDSteer on Bottom Layer "GNDSTEER_L04_P262" (solid, remove dead copper, pour order 262): -62.008,-4.953 -55.804,-4.953 -55.514,-5.243 -55.514,-7.838 -56.337,-8.661 -59.494,-8.661 -62.017,-11.184 -63.845,-11.184 -64.11,-10.92 -64.11,-9.474 -62.382,-7.747 -62.382,-5.279
VCCSteer on Bottom Layer "VCCSTEER_L04_P260" (solid, remove dead copper, pour order 260): -65.166,-4.148 -63.304,-2.286 -53.939,-2.286 -52.619,-3.607 -52.619,-6.688 -53.406,-7.475 -54.752,-7.475 -54.955,-7.272 -54.955,-4.836 -55.339,-4.453 -62.702,-4.453 -63.718,-5.469 -65.344,-5.469
VCCSteer on Bottom Layer "VCCSTEER_L04_P258" (solid, remove dead copper, pour order 258): -65.166,-4.148 -65.115,-4.097 -63.464,-4.097 -63.068,-4.493 -63.068,-7.29 -64.531,-8.753 -64.531,-13.521 -64.938,-13.927 -66.258,-13.927 -66.817,-13.368 -66.639,-13.19 -66.639,-5.418 -65.979,-4.758
AN47 on Bottom Layer "AN47_L04_P252" (solid, remove dead copper, pour order 252): -59.316,-62.56 -58.773,-62.56 -57.927,-63.406 -57.927,-73.16 -58.283,-73.515 -59.883,-73.515 -59.985,-73.414 -59.985,-63.203 -59.985,-63.228
no net on Bottom Layer "NONET_L04_P096" (solid, remove dead copper, pour order 96): -63.762,-35.199
no net on Bottom Layer "NONET_L04_P104" (solid, remove dead copper, pour order 104): -57.793,-27.046
GNDSteer on Bottom Layer "GNDSTEER_L04_P312" (solid, remove dead copper, pour order 312): -69.604,-2.802 -67.531,-2.802 -67.097,-3.236 -67.097,-14.13 -66.716,-14.511 -65.344,-14.511 -64.658,-15.197 -64.658,-17.389 -64.999,-17.729 -70.485,-17.729 -75.174,-13.04 -75.174,-9.007 -74.295,-8.128 -73.279,-8.128 -70.307,-5.156 -70.307,-3.505
GND on Bottom Layer "GND_L04_P498" (solid, remove dead copper, pour order 498): -79.527,-65.176 -79.527,-68.072 -77.673,-69.926 -61.163,-69.926 -60.528,-69.291 -60.554,-69.266 -60.554,-62.916 -61.493,-61.976 -68.351,-61.976 -71.095,-64.719 -71.095,-65.786 -72.263,-66.954 -74.854,-66.954 -75.717,-66.091 -75.717,-64.389 -76.53,-63.576 -78.638,-63.576 -79.527,-64.465
VCCBAT on Bottom Layer "VCCBAT_L04_P500" (solid, remove dead copper, pour order 500): -60.503,-71.196 -60.528,-71.196 -61.163,-70.561 -70.714,-70.561 -71.349,-71.196 -71.349,-76.784 -70.561,-77.572 -62.382,-77.572 -60.503,-75.692
GNDCAM on GND02 (split plane): -21.444,-16.467 -21.444,-17.189 -21.434,-17.239 -21.406,-17.281 -17.818,-20.869 0.49,-39.177 0.49,-45.372 0.49,-49.589 0.5,-49.638 0.528,-49.68 2.776,-51.928 2.776,-52.332 2.786,-52.381 2.792,-52.39 1.887,-53.295 -3.213,-53.295 -4.763,-51.745 -4.763,-47.887 -4.772,-47.837 -4.8,-47.795 -5.131,-47.465 -5.173,-47.437 -5.222,-47.427 -13.246,-47.427 -22.085,-38.588 -22.085,-38.387 -22.095,-38.338 -22.123,-38.296 -22.593,-37.826 -22.593,-34.73 -22.603,-34.68 -22.631,-34.638 -24.285,-32.985 -24.294,-32.939 -24.322,-32.897 -24.364,-32.869 -24.41,-32.859 -30.658,-26.612 -30.7,-26.584 -30.749,-26.574 -46.661,-26.574 -49.519,-23.716 -53.951,-19.284 -53.951,-17.581 -53.936,-17.558 -53.926,-17.508 -53.926,-15.476 -53.926,-0.51 -21.444,-0.51